# Altium PCB 运动控制板.PcbDoc (part 1 of 3) (continued)
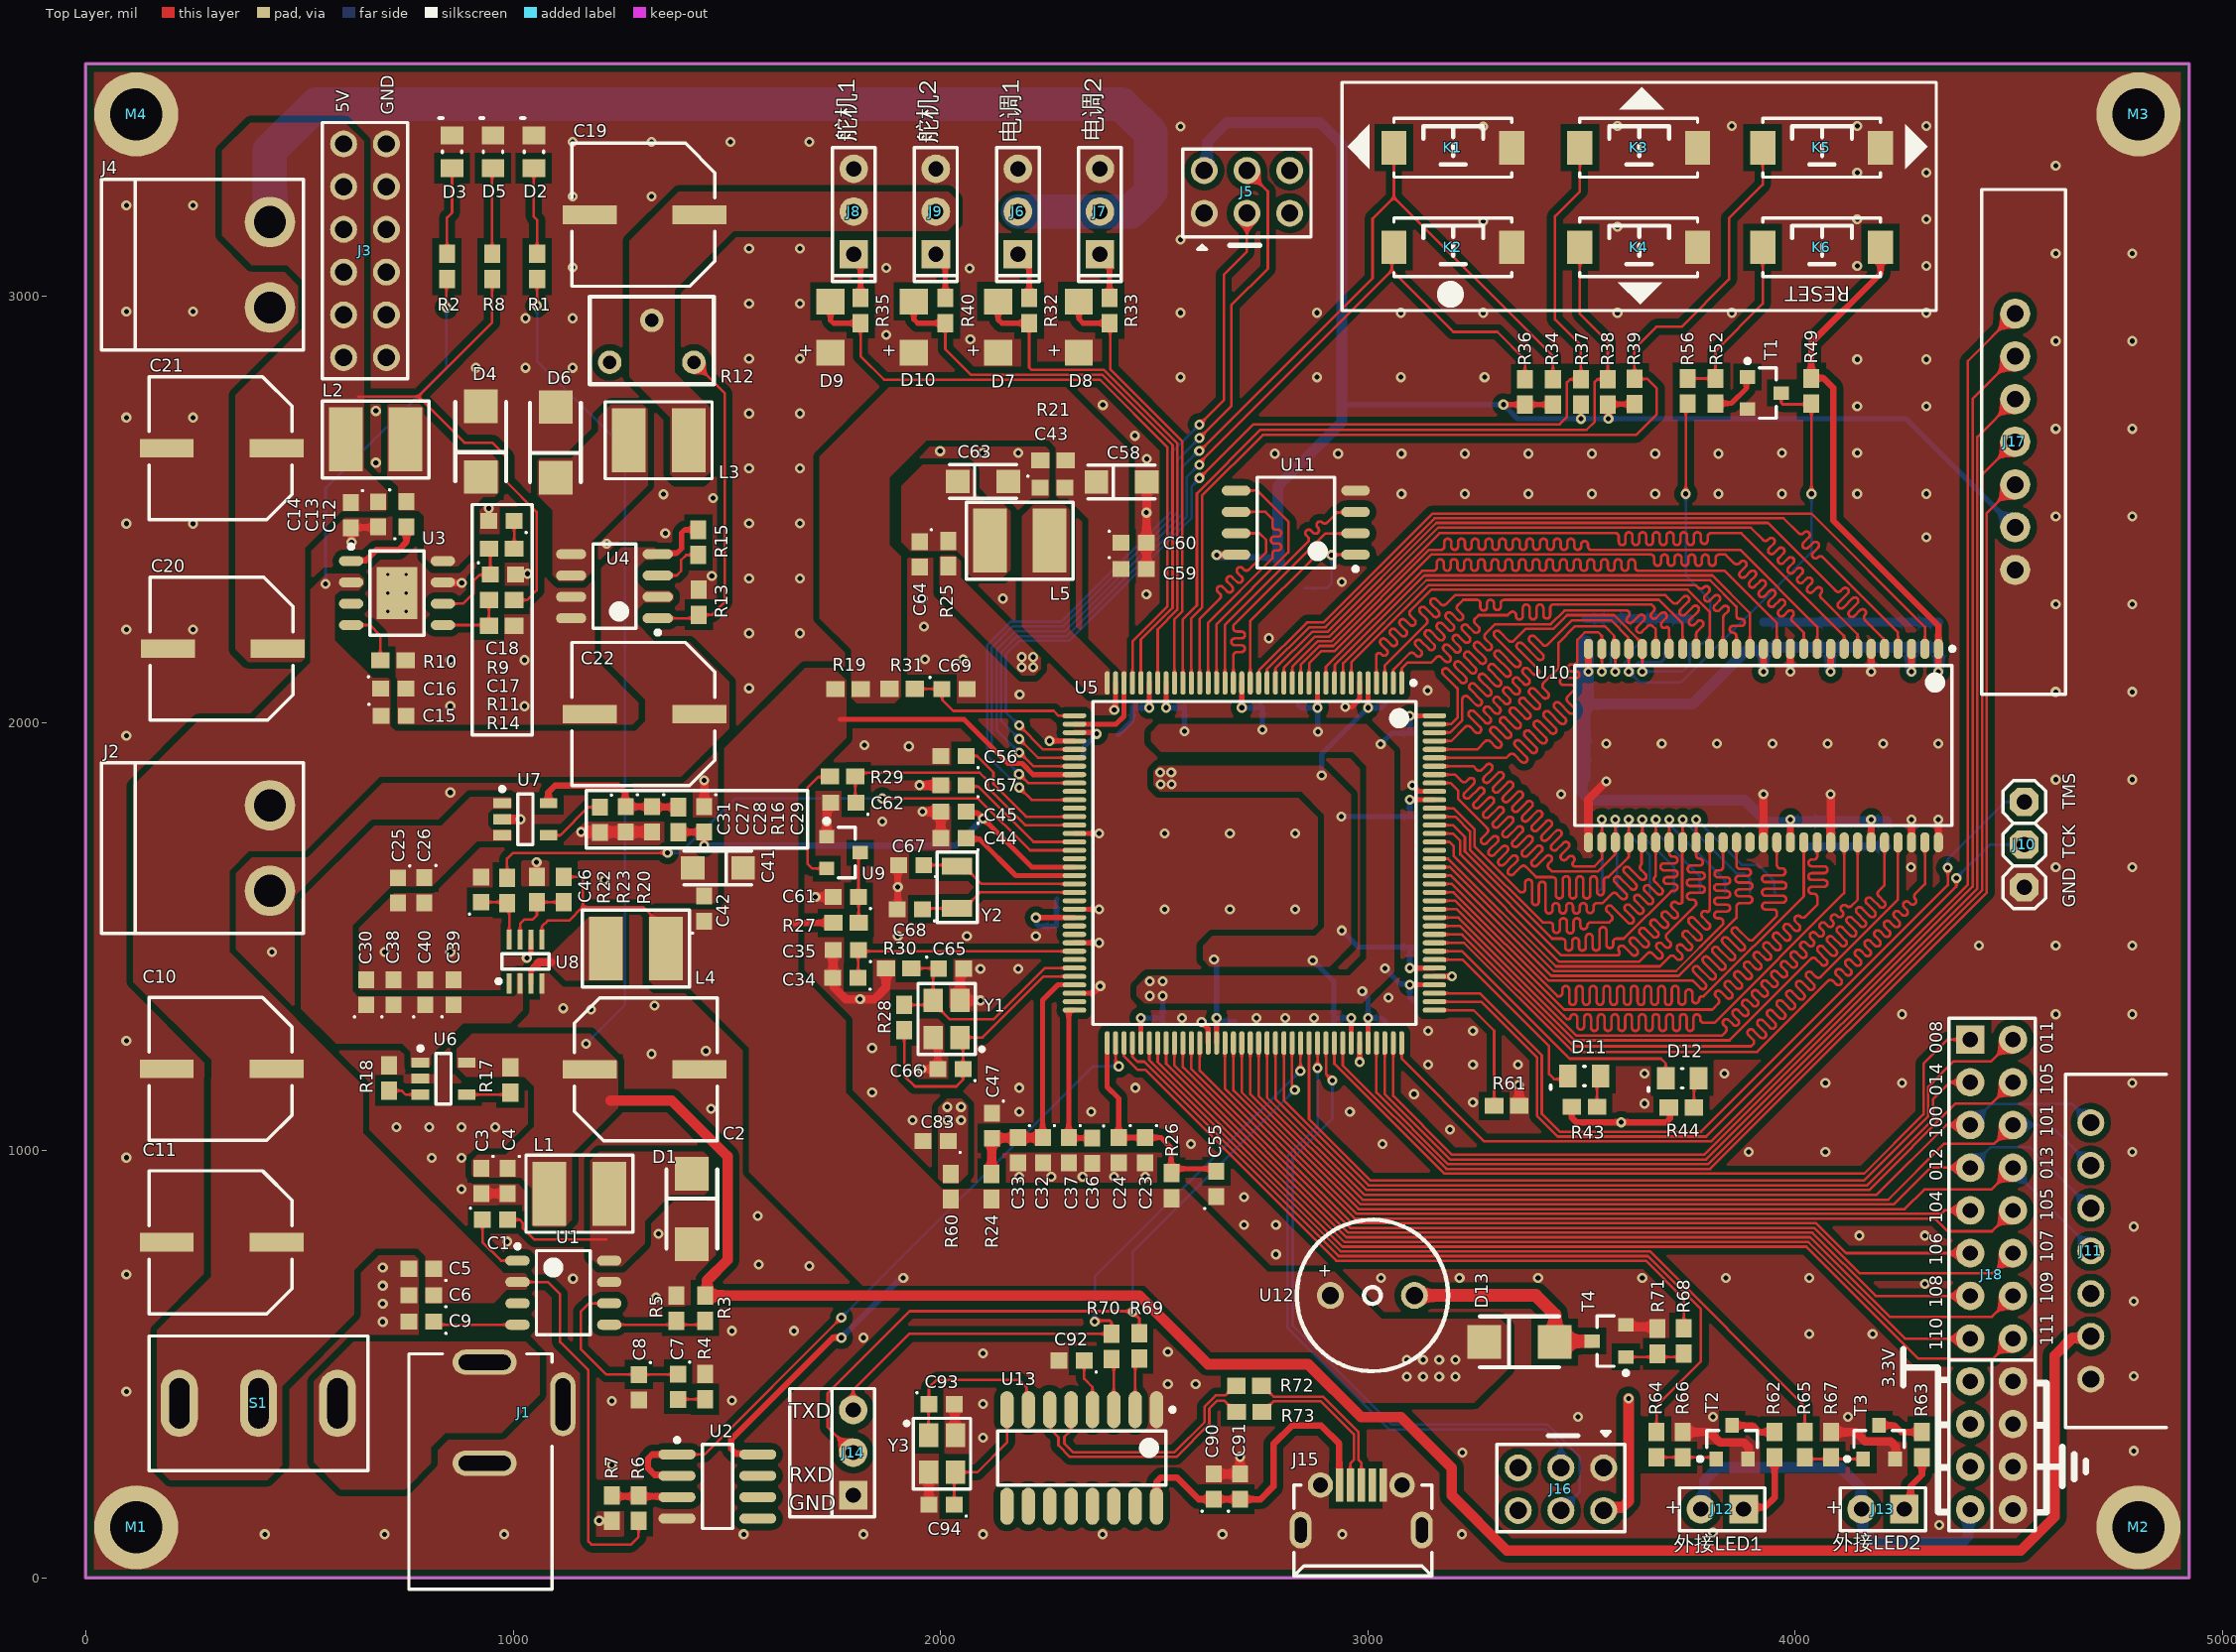
[diagram p0: Top Layer view]
## Footprints (in the part's own frame and the unit in brackets; to place one, negate y for a bottom-side part, rotate by r counter-clockwise, add the part's x,y. Pads: shape width x height; smd on the part's side, far side on the other; paste and mask are expansions set on the pad)
2*8 [mm]
  round 1.6 hole 1.02: 1(0,0) 2(0,-2.54) 3(0,-5.08) 4(0,-7.62) 5(0,-10.16) 6(0,-12.7) 7(2.54,-12.7) 8(2.54,-10.16) 9(2.54,-7.62) 10(2.54,-5.08) 11(2.54,-2.54) 12(2.54,0)
  silkscreen extent -1.27,-13.97 3.81,1.27
3p-switch [mm]
  oval 4x2.2 hole 1.2 slot 3 at 0 deg: 1(0,4.7) 2(0,0) 3(0,-4.7)
  silkscreen extent -4,-6.5 4,6.5
5.08_2P [mm] "5.08mm拔插式接线端子弯针"
  round 3 hole 1.9: 1(0,0) 2(5.08,0)
  silkscreen extent -2.54,-10 7.62,2, body extent -3.5,-13 8.5,2, height 9
3266W [mm]
  round 1.4 hole 0.8: 1(-2.5,0) 2(0,2.5) 3(2.5,0)
  silkscreen extent -3.68,-1.3 3.68,3.9, body extent -3.38,-1 3.37,3.6, height 8.25
beep [mm]
  round 1.6 hole 1.02: 1(-2.5,0) 2(2.5,0)
  silkscreen extent -4.5,-4.5 4.5,4.5
CAP8X10.5MM [mm] "for 470uf"
  rect 3.2x1.1 smd: 1(0.089,0) 2(-6.439,0)
  silkscreen extent -7.5,-4.25 1,4.25, body extent -7.5,-4 0.5,4, height 10
Cap8x10.5mm [mm] "for 470uf"
  rect 3.2x1.1 smd: 1(0.089,0) 2(-6.439,0)
  silkscreen extent -7.5,-4.25 1,4.25, body extent -7.5,-4 0.5,4, height 10
cap0603 [mm] "Chip Capacitor, 2-Leads, Body 1.60x0.80mm, IPC Medium Density"
  rect 1x0.95 smd: 1(-0.75,0) 2(0.75,0)
  silkscreen extent -1.51,0.64 -1.41,0.74, body extent -0.85,-0.45 0.85,0.45, height 0.6
CASE-A_3216 [mm]
  rect 1.4x1.4 smd: 1(1.5,0) 2(-1.5,0)
  silkscreen extent -2,-1 2,1
CD43 [mm]
  rect 3.8x2 smd: 1(0,1.778) 2(0,-1.778)
  silkscreen extent -2.29,-3.18 2.29,3.18, body extent -2,-2.54 2,2.54, height 3.7
DC_IN [mm] "DC电源输入接口"
  oval 1.5x3.8 hole 0.9 slot 3.1 at 90 deg: 1(13.5,0) 2(7.5,0)
  oval 3.8x1.5 hole 0.9 slot 3.1 at 0 deg: 3(11,-4.65)
  silkscreen extent 0,-4 14,4.5
HDR-1X2 [mm]
  rect 1.7x1.7 hole 0.9: 1(0,0)
  round 1.7 hole 0.9: 2(2.54,0)
  silkscreen extent -1.27,-1.27 3.81,1.27, body extent -1.27,-1.27 3.81,1.27, height 8.5
HDR-1X3 [mm]
  rect 1.7x1.7 hole 0.9: 1(0,0)
  round 1.7 hole 0.9: 2(2.54,0) 3(5.08,0)
  silkscreen extent -1.27,-1.27 6.35,1.27, body extent -1.27,-1.27 6.35,1.27, height 8.5
HDR-1X3_SWD [mm]
  oct 1.7x1.7 hole 0.9: 1(0,0) 2(2.54,0) 3(5.08,0)
  silkscreen extent -1.27,-1.27 6.35,1.27
HDR-2x12 [mm]
  rect 1.7x1.7 hole 0.9: 1(0,0)
  round 1.7 hole 0.9: 2(0,2.54) 3(2.54,0) 4(2.54,2.54) 5(5.08,0) 6(5.08,2.54) 7(7.62,0) 8(7.62,2.54) 9(10.16,0) 10(10.16,2.54) 11(12.7,0) 12(12.7,2.54) 13(15.24,0) 14(15.24,2.54) 15(17.78,0) 16(17.78,2.54) 17(20.32,0) 18(20.32,2.54) 19(22.86,0) 20(22.86,2.54) 21(25.4,0) 22(25.4,2.54) 23(27.94,0) 24(27.94,2.54)
  silkscreen extent -1.27,-1.27 29.21,3.86, body extent -1.27,-1.27 29.21,3.81, height 8.5
key [mm] "3*6*2.5"
  rect 1.5x2 smd: 1(3.5,0) 2(-3.5,0)
  silkscreen extent -3.5,-1.75 3.5,1.75, body extent -3.97,-1.74 4.03,1.76, height 2.59
LED [mm] "0805"
  rect 1.05x1.35 smd: 1(-0.975,0) 2(0.975,0)
  silkscreen extent -0.05,-0.58 2,0.75, body extent -1.05,-0.67 1.05,0.67, height 0.6
LL34 [mil] "ZMM3V3"
  rect 60x66 smd: 1(-60,0) 2(60,0)
LQ256Encoder [mm] "LQ_256"
  round 1.6 hole 1.02: 1(0,0) 2(0,-2.54) 3(0,-5.08) 4(2.54,-5.08) 5(2.54,-2.54) 6(2.54,0)
  silkscreen extent -1.27,-6.35 4.7,1.27, body extent -1.27,-6.35 3.81,1.27, height 8.5
LQ_OLED128X64去丝印 [mm]
  round 1.8 hole 1: 1(-7.62,0) 2(-5.08,0) 3(-2.54,0) 4(0,0) 5(2.54,0) 6(5.08,0) 7(7.62,0)
  round 1.8 on Top Overlay: ""(-13.307,0.105) ""(13.293,0.105)
  silkscreen extent -15,-3 15,2, body extent -15,-23 15,2, height 8.5
LQFP144 [mm]
  oval 1.4x0.3 smd: 1(-10.7,8.75) 2(-10.7,8.25) 3(-10.7,7.75) 4(-10.7,7.25) 5(-10.7,6.75) 6(-10.7,6.25) 7(-10.7,5.75) 8(-10.7,5.25) 9(-10.7,4.75) 10(-10.7,4.25) 11(-10.7,3.75) 12(-10.7,3.25) 13(-10.7,2.75) 14(-10.7,2.25) 15(-10.7,1.75) 16(-10.7,1.25) 17(-10.7,0.75) 18(-10.7,0.25) 19(-10.7,-0.25) 20(-10.7,-0.75) 21(-10.7,-1.25) 22(-10.7,-1.75) 23(-10.7,-2.25) 24(-10.7,-2.75) 25(-10.7,-3.25) 26(-10.7,-3.75) 27(-10.7,-4.25) 28(-10.7,-4.75) 29(-10.7,-5.25) 30(-10.7,-5.75) 31(-10.7,-6.25) 32(-10.7,-6.75) 33(-10.7,-7.25) 34(-10.7,-7.75) 35(-10.7,-8.25) 36(-10.7,-8.75) 73(10.7,-8.75) 74(10.7,-8.25) 75(10.7,-7.75) 76(10.7,-7.25) 77(10.7,-6.75) 78(10.7,-6.25) 79(10.7,-5.75) 80(10.7,-5.25) 81(10.7,-4.75) 82(10.7,-4.25) 83(10.7,-3.75) 84(10.7,-3.25) 85(10.7,-2.75) 86(10.7,-2.25) 87(10.7,-1.75) 88(10.7,-1.25) 89(10.7,-0.75) 90(10.7,-0.25) 91(10.7,0.25) 92(10.7,0.75) 93(10.7,1.25) 94(10.7,1.75) 95(10.7,2.25) 96(10.7,2.75) 97(10.7,3.25) 98(10.7,3.75) 99(10.7,4.25) 100(10.7,4.75) 101(10.7,5.25) 102(10.7,5.75) 103(10.7,6.25) 104(10.7,6.75) 105(10.7,7.25) 106(10.7,7.75) 107(10.7,8.25) 108(10.7,8.75)
  oval 0.3x1.4 smd: 37(-8.75,-10.7) 38(-8.25,-10.7) 39(-7.75,-10.7) 40(-7.25,-10.7) 41(-6.75,-10.7) 42(-6.25,-10.7) 43(-5.75,-10.7) 44(-5.25,-10.7) 45(-4.75,-10.7) 46(-4.25,-10.7) 47(-3.75,-10.7) 48(-3.25,-10.7) 49(-2.75,-10.7) 50(-2.25,-10.7) 51(-1.75,-10.7) 52(-1.25,-10.7) 53(-0.75,-10.7) 54(-0.25,-10.7) 55(0.25,-10.7) 56(0.75,-10.7) 57(1.25,-10.7) 58(1.75,-10.7) 59(2.25,-10.7) 60(2.75,-10.7) 61(3.25,-10.7) 62(3.75,-10.7) 63(4.25,-10.7) 64(4.75,-10.7) 65(5.25,-10.7) 66(5.75,-10.7) 67(6.25,-10.7) 68(6.75,-10.7) 69(7.25,-10.7) 70(7.75,-10.7) 71(8.25,-10.7) 72(8.75,-10.7) 109(8.75,10.7) 110(8.25,10.7) 111(7.75,10.7) 112(7.25,10.7) 113(6.75,10.7) 114(6.25,10.7) 115(5.75,10.7) 116(5.25,10.7) 117(4.75,10.7) 118(4.25,10.7) 119(3.75,10.7) 120(3.25,10.7) 121(2.75,10.7) 122(2.25,10.7) 123(1.75,10.7) 124(1.25,10.7) 125(0.75,10.7) 126(0.25,10.7) 127(-0.25,10.7) 128(-0.75,10.7) 129(-1.25,10.7) 130(-1.75,10.7) 131(-2.25,10.7) 132(-2.75,10.7) 133(-3.25,10.7) 134(-3.75,10.7) 135(-4.25,10.7) 136(-4.75,10.7) 137(-5.25,10.7) 138(-5.75,10.7) 139(-6.25,10.7) 140(-6.75,10.7) 141(-7.25,10.7) 142(-7.75,10.7) 143(-8.25,10.7) 144(-8.75,10.7)
  silkscreen extent -10.82,-9.6 9.6,9.6, body extent -10,-10 10,10, height 1.6
OPA2350 [mm] "SOIC, 8-Leads, Body 4.9x3.9mm, Pitch 1.27mm, IPC Medium Density"
  oval 2.2x0.6 smd: 1(-2.4,1.905) 2(-2.4,0.635) 3(-2.4,-0.635) 4(-2.4,-1.905) 5(2.4,-1.905) 6(2.4,-0.635) 7(2.4,0.635) 8(2.4,1.905)
  silkscreen extent -2.52,-2.5 0.9,2.88, body extent -1.95,-2.45 1.95,2.45, height 1.75
res0603 [mm]
  rect 1.1x0.95 smd: 1(-0.75,0) 2(0.75,0)
  body extent -0.8,-0.38 0.8,0.42, height 0.45
SMA(DO-214AC) [mm] "SS系列肖特基二极管"
  rect 2x2 smd: 1(2.1,0) 2(-2.1,0)
  silkscreen extent -2.35,-1.5 2.35,1.52
SMD3215 [mm] "有源晶振"
  rect 1x1.8 smd: 1(-1.25,0) 2(1.25,0)
  silkscreen extent -2.1,-1.2 2.1,1.2
SMD3225 [mm] "有源晶振"
  rect 1.4x1.15 smd: 1(-1.1,-0.8) 2(1.1,-0.8) 3(1.1,0.8) 4(-1.1,0.8)
  silkscreen extent -2.1,-2.2 2.1,1.7
SOIC8-208mil [mm]
  oval 1.7x0.6 smd: 1(-3.55,1.905) 2(-3.55,0.635) 3(-3.55,-0.635) 4(-3.55,-1.905) 5(3.55,-1.905) 6(3.55,-0.635) 7(3.55,0.635) 8(3.55,1.905)
  silkscreen extent -3.68,-2.7 2.3,2.88, body extent -2.7,-2.7 2.7,2.7, height 2.16
SOIC-8_150mil [mm]
  oval 1.45x0.6 smd: 1(-2.725,1.905) 2(-2.725,0.635) 3(-2.725,-0.635) 4(-2.725,-1.905) 5(2.725,-1.905) 6(2.725,-0.635) 7(2.725,0.635) 8(2.725,1.905)
  silkscreen extent -2.85,-2.5 1.6,2.88, body extent -2,-2.5 2,2.5, height 1.75
SOIC-8_EP_150mil [mm]
  oval 1.45x0.6 smd: 1(-2.725,1.905) 2(-2.725,0.635) 3(-2.725,-0.635) 4(-2.725,-1.905) 5(2.725,-1.905) 6(2.725,-0.635) 7(2.725,0.635) 8(2.725,1.905)
  rect 2.4x3.1 smd: 9(0,0)
  silkscreen extent -2.85,-2.5 1.6,2.88, body extent -2,-2.5 2,2.5, height 1.75
SOP18-AS1015 [mm]
  oval 1.8x0.6 smd: 1(-2.575,1.905) 2(-2.575,0.635) 3(-2.575,-0.635) 4(-2.575,-1.905) 5(2.575,-1.905) 6(2.575,-0.635) 7(2.575,0.635) 8(2.575,1.905)
  silkscreen extent -2.7,-2.5 1.27,2.88, body extent -2,-2.5 2,2.5, height 2.5
SOP-16_150mil [mm]
  oval 2.2x0.8 smd: 1(-2.87,4.445) 2(-2.87,3.175) 3(-2.87,1.905) 4(-2.87,0.635) 5(-2.87,-0.635) 6(-2.87,-1.905) 7(-2.87,-3.175) 8(-2.87,-4.445) 9(2.87,-4.445) 10(2.87,-3.175) 11(2.87,-1.905) 12(2.87,-0.635) 13(2.87,0.635) 14(2.87,1.905) 15(2.87,3.175) 16(2.87,4.445)
  silkscreen extent -2.99,-5 1.6,5.52, body extent -2,-5 2,5, height 1.75
SOT23-5 [mm]
  rect 1.05x0.6 smd: 1(-1.375,0.95) 2(-1.375,0) 3(-1.375,-0.95) 4(1.375,-0.95) 5(1.375,0.95)
  silkscreen extent -1.5,-1.5 0.45,1.92, body extent -0.85,-1.5 0.85,1.5, height 1.35
SOT-23-3 [mm]
  rect 0.9x0.8 smd: 1(-1,0.95) 2(-1,-0.95) 3(1,0)
  silkscreen extent -1.12,-1.5 0.7,2.02, body extent -0.7,-1.52 0.7,1.52, height 1.11
TSOP(II)-54 [mm] "W9825G6KH-6"
  oval 1.2x0.55 smd: 1(-5.75,10.4) 2(-5.75,9.6) 3(-5.75,8.8) 4(-5.75,8) 5(-5.75,7.2) 6(-5.75,6.4) 7(-5.75,5.6) 8(-5.75,4.8) 9(-5.75,4) 10(-5.75,3.2) 11(-5.75,2.4) 12(-5.75,1.6) 13(-5.75,0.8) 14(-5.75,0) 15(-5.75,-0.8) 16(-5.75,-1.6) 17(-5.75,-2.4) 18(-5.75,-3.2) 19(-5.75,-4) 20(-5.75,-4.8) 21(-5.75,-5.6) 22(-5.75,-6.4) 23(-5.75,-7.2) 24(-5.75,-8) 25(-5.75,-8.8) 26(-5.75,-9.6) 27(-5.75,-10.4) 28(5.75,-10.4) 29(5.75,-9.6) 30(5.75,-8.8) 31(5.75,-8) 32(5.75,-7.2) 33(5.75,-6.4) 34(5.75,-5.6) 35(5.75,-4.8) 36(5.75,-4) 37(5.75,-3.2) 38(5.75,-2.4) 39(5.75,-1.6) 40(5.75,-0.8) 41(5.75,0) 42(5.75,0.8) 43(5.75,1.6) 44(5.75,2.4) 45(5.75,3.2) 46(5.75,4) 47(5.75,4.8) 48(5.75,5.6) 49(5.75,6.4) 50(5.75,7.2) 51(5.75,8) 52(5.75,8.8) 53(5.75,9.6) 54(5.75,10.4)
  silkscreen extent -5.87,-11.2 4.75,11.35, body extent -5.15,-11.2 5.15,11.2, height 1.2
TSOT23-8 [mm]
  rect 1.2x0.3 smd: 1(-1.3,0.975) 2(-1.3,0.325) 3(-1.3,-0.325) 4(-1.3,-0.975) 5(1.3,-0.975) 6(1.3,-0.325) 7(1.3,0.325) 8(1.3,0.975)
  silkscreen extent -1.3,-1.4 0.45,1.72, body extent -0.85,-1.4 0.85,1.4, height 1.35
uart_nrf24l01 [mm] "无线串口模块"
  round 1.6 hole 1.02: 1(0,7.62) 2(0,5.08) 3(0,2.54) 4(0,0) 5(0,-2.54) 6(0,-5.08) 7(0,-7.62)
  silkscreen extent -1.5,-10.5 4.5,10.5, body extent -1.5,-10.5 45.55,10.5, height 3.1
USB_micro_b [mm] "母座"
  rect 2x0.45 smd: 1(0,-1.3) 2(0,-0.65) 3(0,0) 4(0,0.65) 5(0,1.3)
  round 1.5 hole 0.9: 6(0,2.425) 9(0,-2.425)
  oval 2.2x1.3 hole 0.7 slot 1.5 at 0 deg: 7(2.67,3.6) 8(2.67,-3.6)
  silkscreen extent 0,-4 5.4,4.2
螺丝孔#1 [mm]
  round 5 hole 3.1: 0(0.126,-0.135)
螺丝孔#2 [mm]
  round 5 hole 3.1: 0(-5.351,-0.135)
螺丝孔#3 [mm]
  round 5 hole 3.1: 0(-4.828,-0.135)
螺丝孔#4 [mm]
  round 5 hole 3.1: 0(2.695,-3.135)

## Part data
C1 C3 C4 C5 C6 C7 C8 C9 C12 C13 C14 C15 C16 C17 C18 C23 C24 C25 C26 C27 C28 C29 C30 C31 C32 C33 C34 C35 C36 C37 C38 C39 C40 C42 C43 C44 C45 C46 C47 C48 C49 C50 C51 C52 C53 C54 C55 C56 C57 C59 C60 C61 C62 C64 C65 C66 C67 C68 C69 C70 C71 C72 C73 C74 C75 C76 C77 C78 C79 C80 C81 C82 C83 C84 C85 C86 C87 C88 C89 C90 C91 C92 C93 C94: library part Cap, "贴片电容", LatestRevisionDate=17-Jul-2002, LatestRevisionNote="Re-released for DXP Platform.", PackageReference=RAD-0.3, Published=8-Jun-2000, Publisher="Altium Limited"
C2 C10 C11 C19 C20 C21 C22: library part "Cap Pol", "贴片电解电容 8*10.5mm", LatestRevisionDate=17-Jul-2002, LatestRevisionNote="Re-released for DXP Platform.", PackageReference=POLAR0.8, Published=8-Jun-2000, Publisher="Altium Limited"
C41 C58 C63: library part Cap, "钽电容", LatestRevisionDate=17-Jul-2002, LatestRevisionNote="Re-released for DXP Platform.", PackageReference=RAD-0.3, Published=8-Jun-2000, Publisher="Altium Limited"
D1 D4 D6 D13: library part "D Schottky", "肖特基二极管", Code_JEDEC=DO-214-AA, LatestRevisionDate=17-Jul-2002, LatestRevisionNote="Re-released for DXP Platform.", PackageReference=SMB, Published=8-Jun-2000, Publisher="Altium Limited"
D2 D3 D5 D11 D12: "贴片LED", PackageDocument=Feb-2002, LatestRevisionDate=17-Jul-2002, LatestRevisionNote="Re-released for DXP Platform.", PackageReference=3.2X1.6X1.1, Published=8-Jun-2000, Publisher="Altium Limited"
D7 D8 D9 D10: library part "D Schottky", "稳压二极管", Code_JEDEC=DO-214-AA, LatestRevisionDate=17-Jul-2002, LatestRevisionNote="Re-released for DXP Platform.", PackageReference=SMB, Published=8-Jun-2000, Publisher="Altium Limited"
J1: "型号DC-005  外径5.5内径2.1 立创编号C136744"
J2 J4: library part "Header 2", "5.08mm拔插式阶段端子，弯针", BOM名称=2P接插件, 版权归属=源创客, 学习资源=www.ooocke.com
J3: library part "Header 6x2", "2.54mm公排针", BOM名称=5P接插件, 版权归属=源创客, 学习资源=www.ooocke.com
J5 J16: library part LQ_AB256, "2.54mm公排针"
J6 J7 J8 J9 J10 J14: library part "Header 3", "2.54mm公排针", BOM名称=3P接插件, 版权归属=源创客, 学习资源=www.ooocke.com
J11: "模块https://item.taobao.com/item.htm?spm=2013.1.0.0.7e76fc54H9c4Ar&id=42997097904"
J12 J13: library part "Header 2", "2.54mm公排针", BOM名称=2P接插件, 版权归属=源创客, 学习资源=www.ooocke.com
J15: "microUSB母座,立创商城C404969"
J17: library part "Header 7", "2.54mm母排座", BOM名称=5P接插件, 版权归属=源创客, 学习资源=www.ooocke.com
J18: library part "Header 12*2", "2.54mm公排针", BOM名称=5P接插件, 版权归属=源创客, 学习资源=www.ooocke.com
K1 K2 K3 K4 K5 K6: "按键", BOM名称=3x6轻触开关, 版权归属=源创客, 学习资源=www.ooocke.com
L1 L2 L3 L4 L5: library part Inductor, "贴片功率电感", Code_IEC=1005, Code_JEITA=0402, LatestRevisionDate=17-Jul-2002, LatestRevisionNote="Re-released for DXP Platform.", PackageReference=0402-A, Published=8-Jun-2000, Publisher="Altium Limited"
R1 R2 R3 R4 R5 R6 R7 R8 R9 R10 R11 R13 R14 R15 R16 R17 R18 R19 R20 R21 R22 R23 R24 R25 R26 R27 R28 R29 R30 R31 R32 R33 R34 R35 R36 R37 R38 R39 R40 R41 R42 R43 R44 R45 R46 R47 R48 R49 R50 R51 R52 R53 R54 R55 R56 R57 R58 R59 R60 R61 R62 R63 R64 R65 R66 R67 R68 R69 R70 R71 R72 R73: library part Res, "贴片电阻", LatestRevisionDate=17-Jul-2002, LatestRevisionNote="Re-released for DXP Platform.", PackageReference=AXIAL-0.4, Published=8-Jun-2000, Publisher="Altium Limited"
R12: library part "Res Adj", "贴片电阻", LatestRevisionDate=17-Jul-2002, LatestRevisionNote="Re-released for DXP Platform.", PackageReference=AXIAL-0.6, Published=8-Jun-2000, Publisher="Altium Limited", Set Position=0.5
S1: "三脚二挡 型号MTS102"
T1 T2 T3 T4: "贴片三极管 NPN管"
U1: "开关稳压芯片,3.5V~28V输入,2A输出"
U2: "运算放大器", Code_IPC=SOIC127P600-8, Code_JEDEC=MS-012-AA, ComponentLink1Description="Manufacturer Link", ComponentLink1URL=http://www.onsemi.com/site/products/parametrics/0,4446,251,00.html, ComponentLink2Description=Datasheet, ComponentLink2URL=http://www.onsemi.com/pub/Collateral/LM358-D.PDF, DatasheetVersion=1988, LatestRevisionDate=13-Apr-2006, LatestRevisionNote="IPC-7351 Footprint Added.", PackageDescription="8-Pin Small Outline Integrated Circuit 1.27 mm Pitch", PackageReference=751-02, Published=17-Jul-2002, Publisher="Altium Limited"
U3: "开关稳压芯片,4.5V~60V输入,5A输出"
U4: "开关稳压芯片"
U5: "Cortex-M7 500MHZ 1.3V"
U6: "功率开关，SY6280AAC"
U7: "线性稳压芯片3.3V  300mA  SOT23-5"
U8: "开关稳压芯片 0.6V 2A 2.5-5.5V TSOT23-8"
U9: "mcu复位芯片"
U10: "SDRAM 16MX16 6NS 3.3V TSOP(II)-54"
U11: library part W25Q, "flash"
U12: "有源蜂鸣器，3V，直径9mm引脚间距5mm"
U13: "USB转串口芯片"
Y1: library part CRYSTAL_JXS63, "无源晶振24MHZ 12pF 3.2X2.5MM SMD"
Y2: library part CRYSTAL, "晶振 32.768KHZ 12.5PF"
Y3: library part CRYSTAL_JXS63, "无源晶振 12MHZ 12pF 3.2X2.5MM SMD"

## Via types
v1: diameter 23.62, hole 11.81, Top Layer to Bottom Layer, tented both sides, 431 vias
v2: diameter 19.68, hole 7.87, Top Layer to Bottom Layer, 6 vias

## Nets (pads, with @x,y where several pads share a name; then routed paths per layer and width w, separated by ;. In a path a pad name is that pad's centre, name@x,y a point inside that pad or via, vN(x,y) a via of type N, cw(c..) or ccw(c..) an arc to the next point about the centre after c; other vN are vias at no path point)
5V: C25.1 C26.1 C30.1 C38.1 C39.1 C40.1 U6.1 U7.1 U7.3 U8.2
5V_2A: C2.1 C3.1 C4.1 J11.6 L1.2 R1.1 R3.1 R17.1 U6.5 | length 6543.9
  Top Layer w6: v1(1056,2977) 1056,3039.33 R1.1@1056.31,3039.64
  Top Layer w25: 1228,1117 1371,1117 1502,986 1502,744 1454,696 1454,665.54 R3.1@1449.1,660.64 2465.36,660.64 2626,500 2860,500 2984,376 3077,376 3196,257 3196,193 3325,64 4528,64 4607,143 4607,520 4648.1,561.1 4687.56,561.1 J11.6@4691.62,565.16
  Bottom Layer w6: v1(1056,2977) 1056,2848 1262,2642 1262,1341 v1(1171,1250)
5V_5A: C13.1 C14.1 C20.1 C21.1 J3.1 J3.2 J3.3 J3.4 J3.5 J3.6 J4.1 J6.2 J7.2 L2.2 R8.1 R11.1 | length 3924.4
  Top Layer w6: 637,2765 778,2765 ; R8.1@950.85,3039.64 950.85,2937.85 778,2765 ; R11.1@1002.35,2288.38 1032.38,2288.38 1055,2311 1055,2495 984,2566 984,2624 951,2657 886,2657 778,2765
  Bottom Layer w80: J4.1@430.94,3173.28 430.94,3340.94 539,3449 2424,3449 2492,3381 2492,3244.65 2445.14,3197.79 J7.2@2373.14,3197.79 J6.2@2181.11,3197.79
6V: C19.1 J8.2 J9.2 L3.2 R12.2
AD_B0_08: J18.1 U5.100 | length 1842.5
  Top Layer w6: U5.100@2921.59,1251.92 2921.59,1203.18 3178.93,945.85 4161.06,945.85 4300,1084.78 4300,1203 4356.84,1259.84 J18.1@4409.45,1259.84
AD_B0_09: J16.2 U5.99 | length 1649.7
  Top Layer w6: U5.99@2901.91,1251.92 2902.03,1251.79 2902.03,1178.97 v1(2917,1164)
  Bottom Layer w6: v1(2917,1164) 2917,1075 2824,982 2824,590 3055,359 3420,359 3496,283 3496,201.83 J16.2@3451.68,157.51
AD_B0_10: J16.5 U5.98 | length 1502.3
  Top Layer w6: v1(2882.22,1193) U5.98@2882.22,1251.92
  Bottom Layer w6: v1(2882.22,1193) 2882.22,1057.22 2811.98,986.98 2811.98,585.02 3050.02,346.98 3415.02,346.98 3451.68,310.32 J16.5@3451.68,257.51
AD_B0_11: J18.2 U5.97 | length 2061.9
  Top Layer w6: U5.97@2862.54,1251.92 2862.41,1251.79 2862.41,1073.7 3006.27,929.85 4160.62,929.85 4311,1080.23 4311,1149 4371,1209 4458.61,1209 J18.2@4509.45,1259.84
AD_B0_14: J18.3 U5.94 | length 1950.6
  Top Layer w6: U5.94@2803.48,1251.92 2803.48,1209.34 2803.36,1209.21 2803.36,1117.2 3001.71,918.85 4168.29,918.85 4322,1072.56 4322,1120 4361.84,1159.84 J18.3@4409.45,1159.84
AD_B0_15: J18.4 U5.93 | length 2049.1
  Top Layer w6: U5.93@2783.8,1251.92 2783.8,1121.2 2997.15,907.85 4172.85,907.85 4375,1110 4459.61,1110 J18.4@4509.45,1159.84
AD_B1_00: J11.1 J18.5 U5.92 | length 2260.8
  Top Layer w6: U5.92@2764.11,1251.92 2764.11,1123.89 2992,896 4190,896 4353.84,1059.84 J18.5@4409.45,1059.84
  Bottom Layer w6: J18.5@4409.45,1059.84 4409.45,1067.45 4417.06,1067.45 4458.61,1109 4647.77,1109 J11.1@4691.62,1065.16
AD_B1_01: J11.2 J18.6 U5.91 | length 2283.4
  Top Layer w6: U5.91@2744.43,1251.92 2744.43,1128.02 2987.44,885 4218,885 4349,1016 4465.61,1016 J18.6@4509.45,1059.84
  Bottom Layer w6: J18.6@4509.45,1059.84 4596.93,1059.84 J11.2@4691.62,965.16
AD_B1_04: J18.9 U5.88 | length 1958.3
  Top Layer w6: U5.88@2685.37,1251.92 2685.37,1140.4 2973.77,852 4342,852 4349.84,859.84 J18.9@4409.45,859.84
AD_B1_05: J18.10 U5.87 | length 2109.5
  Top Layer w6: U5.87@2665.69,1251.92 2665.69,1144.53 2969.22,841 4327,841 4357,811 4460.61,811 J18.10@4509.45,859.84
AD_B1_06: J18.11 U5.84 | length 2044.8
  Top Layer w6: U5.84@2606.63,1251.92 2606.63,1186.82 2963.45,830 4048.78,830 4118.94,759.84 J18.11@4409.45,759.84
AD_B1_07: J18.12 U5.83 | length 2200.8
  Top Layer w6: U5.83@2586.95,1251.92 2586.95,1190.95 2958.89,819 4044.23,819 4150.23,713 4462.61,713 J18.12@4509.45,759.84
AD_B1_08: J18.13 U5.82 | length 2120.7
  Top Layer w6: U5.82@2567.26,1251.92 2567.26,1195.08 2954.34,808 4039.67,808 4187.83,659.84 J18.13@4409.45,659.84
AD_B1_09: J18.14 U5.81 | length 2278.5
  Top Layer w6: U5.81@2547.58,1251.92 2547.58,1199.2 2949.78,797 4035.11,797 4221.11,611 4460.61,611 J18.14@4509.45,659.84
AD_B1_10: J18.15 U5.80 | length 2196.7
  Top Layer w6: U5.80@2527.89,1251.92 2527.89,1203.33 2945.23,786 4030.56,786 4256.71,559.84 J18.15@4409.45,559.84
AD_B1_11: J18.16 U5.79 | length 2352.8
  Top Layer w6: U5.79@2508.21,1251.92 2508.21,1207.46 2940.67,775 4026,775 4288,513 4462.61,513 J18.16@4509.45,559.84
AD_B1_12: R65.1 U5.78 | length 1970.3
  Top Layer w6: U5.78@2488.52,1251.92 2488.52,1211.59 2936.11,764 3660,764 4022.36,401.64 R65.1@4022.36,341.04
AD_B1_13: R64.1 U5.76 | length 1937.8
  Top Layer w6: U5.76@2449.15,1251.92 2449.48,1251.59 2449.48,1219.52 2461,1208 2476.56,1208 2931.56,753 3655.44,753 3779,629.44 3779,506 3675.36,402.36 R64.1@3675.36,341.04
AD_B1_14: R68.1 U5.75 | length 1645.9
  Top Layer w6: U5.75@2429.47,1251.92 2429.47,1220.53 2461,1189 2479,1189 2926,742 3650.89,742 3739.36,653.53 R68.1@3739.36,583.74
AD_B1_15: U2.1 U2.2 U5.74 | length 1637.6
  Top Layer w6: U2.1@1383.5,288.83 1447.83,288.83 v1(1768,609) ; U5.74@2409.78,1251.92 2409.78,1204.22 v1(2417,1197)
  Top Layer w15: U2.2@1383.5,238.83 1381.85,240.48 1331.52,240.48 1315,257 1315,278 1325.83,288.83 U2.1@1383.5,288.83
  Bottom Layer w6: v1(1768,609) 2356,1197 v1(2417,1197)
BAT_12V: C5.1 C6.1 C10.1 C11.1 C15.1 C16.1 C22.1 J2.1 R2.1 R6.1 R15.1 S1.2 S1.3 U1.2 U3.2 U4.2 U4.4 | length 1855.6
  Top Layer w6: v1(844,2973) 844,3038.26 R2.1@845.39,3039.64 ; U1.2@1010.35,692.29 1081.71,692.29 1110,664 1110,552 1176,486 1176,85 1183,78 1276,78 1293.54,95.54 R6.1@1293.54,133.58
  Top Layer w12: U4.4@1338.5,2395.87 1339.37,2395 1342.47,2398.1 1383.1,2398.1 1394,2409 1394,2445.83 1401.03,2452.86 R15.1@1433.3,2452.86
  Bottom Layer w6: v1(561,2326) 561,2550 844,2833 v1(844,2973)
BT_CFG0: R47.2 U5.140 U10.25 | length 1207
  Top Layer w6: U5.140@3155.84,1938.93 3255.93,1938.93 3274.79,1957.79 cw(c3280.45,1952.13) 3286.1,1957.8 3299.17,1944.73 ccw(c3304.82,1950.38) 3310.48,1944.73 ccw(c3304.82,1950.38) 3310.48,1956.04 3288.55,1977.97 cw(c3294.21,1983.63) 3288.55,1989.28 cw(c3294.21,1983.63) 3299.87,1989.28 3321.79,1967.35 ccw(c3327.45,1973.01) 3333.11,1967.35 ccw(c3327.45,1973.01) 3333.11,1978.67 3311.18,2000.6 cw(c3316.84,2006.25) 3311.18,2011.91 cw(c3316.84,2006.25) 3322.49,2011.91 3344.42,1989.98 ccw(c3350.08,1995.64) 3355.73,1989.98 ccw(c3350.08,1995.64) 3355.73,2001.3 3333.81,2023.22 cw(c3339.46,2028.88) 3333.81,2034.54 cw(c3339.46,2028.88) 3345.12,2034.54 3367.05,2012.61 ccw(c3372.71,2018.27) 3378.36,2012.61 ccw(c3372.71,2018.27) 3378.36,2023.92 3356.43,2045.85 cw(c3362.09,2051.51) 3356.43,2057.16 cw(c3362.09,2051.51) 3367.75,2057.16 3389.68,2035.24 ccw(c3395.33,2040.89) 3400.99,2035.24 ccw(c3395.33,2040.89) 3400.99,2046.55 3379.06,2068.48 cw(c3384.72,2074.14) 3379.06,2079.79 cw(c3384.72,2074.14) 3390.37,2079.79 3409.85,2060.31 ccw(c3415.51,2065.97) 3421.17,2060.31 ccw(c3415.51,2065.97) 3421.17,2071.63 3410.55,2082.24 cw(c3416.21,2087.9) 3410.55,2093.55 3446,2129 3446,2188 3485,2227 3554,2227 3576.09,2204.91 3576.09,2177.22 U10.25@3579.08,2174.23 v1@3579.08,2121.11
  Bottom Layer w6: v1@3579.08,2121.11 3581.11,2121.11 3621,2161 3621,2173.83 R47.2@3633.5,2186.33
  other v1: 3579.08,2121
BT_CFG1: R48.2 U5.139 U10.26 | length 1347.4
  Top Layer w6: U5.139@3155.84,1919.24 3324.24,1919.24 3331.62,1926.62 cw(c3337.27,1920.96) 3342.92,1926.62 3359.61,1909.94 ccw(c3365.27,1915.6) 3370.92,1909.94 ccw(c3365.27,1915.6) 3370.92,1921.25 3345.22,1946.96 cw(c3350.88,1952.61) 3345.22,1958.27 cw(c3350.88,1952.61) 3356.53,1958.27 3382.24,1932.57 ccw(c3387.89,1938.22) 3393.55,1932.57 ccw(c3387.89,1938.22) 3393.55,1943.88 3367.85,1969.58 cw(c3373.51,1975.24) 3367.85,1980.9 cw(c3373.5,1975.24) 3379.16,1980.9 3404.87,1955.19 ccw(c3410.52,1960.85) 3416.18,1955.19 ccw(c3410.52,1960.85) 3416.18,1966.51 3390.48,1992.21 cw(c3396.13,1997.87) 3390.48,2003.52 cw(c3396.13,1997.87) 3401.79,2003.52 3427.49,1977.82 ccw(c3433.15,1983.48) 3438.81,1977.82 ccw(c3433.15,1983.48) 3438.81,1989.13 3413.1,2014.84 cw(c3418.76,2020.49) 3413.1,2026.15 cw(c3418.76,2020.49) 3424.42,2026.15 3450.12,2000.45 ccw(c3455.78,2006.1) 3461.43,2000.45 ccw(c3455.78,2006.1) 3461.43,2011.76 3437.49,2035.7 cw(c3443.15,2041.36) 3437.49,2047.02 cw(c3443.15,2041.36) 3448.81,2047.02 3471.26,2024.56 ccw(c3476.92,2030.22) 3482.57,2024.56 ccw(c3476.92,2030.22) 3482.57,2035.88 3467.38,2051.07 cw(c3473.04,2056.73) 3467.37,2062.37 3481.09,2076.09 ccw(c3475.43,2081.74) 3475.43,2089.74 3457.3,2089.74 cw(c3457.3,2097.74) 3449.3,2097.74 cw(c3457.3,2097.74) 3457.3,2105.74 3486.87,2105.74 ccw(c3486.87,2113.74) 3494.87,2113.74 ccw(c3486.87,2113.74) 3486.87,2121.74 3476,2121.74 cw(c3476,2129.74) 3468,2129.74 cw(c3476,2129.74) 3476,2137.74 3482,2137.74 ccw(c3482,2145.74) 3490,2145.74 3490,2169 ; 3490,2171 3490,2195.49 3507.51,2213 3539,2213 3547.59,2204.41 U10.26@3547.59,2174.23 v1@3547.59,2121.11
  Bottom Layer w6: v1@3547.59,2121.11 3569,2142.52 3569,2183.63 R48.2@3571.7,2186.33
  other v1: 3547.59,2121
BT_CFG2: R50.2 U5.138 U10.29 | length 1449.4
  Top Layer w6: U5.138@3155.84,1899.56 3246.44,1899.56 3255.05,1890.95 ccw(c3260.71,1896.61) 3266.36,1890.94 ; 3266.36,1890.95 3278,1902.59 cw(c3283.66,1896.93) 3289.32,1902.59 cw(c3283.66,1896.93) 3289.32,1891.27 3272.18,1874.14 ccw(c3277.84,1868.48) 3272.18,1862.83 ccw(c3277.84,1868.48) 3283.5,1862.83 3304.26,1883.59 cw(c3309.91,1877.93) 3315.57,1883.59 cw(c3309.91,1877.93) 3315.57,1872.27 3294.81,1851.51 ccw(c3300.47,1845.86) 3294.81,1840.2 ccw(c3300.47,1845.86) 3306.12,1840.2 3326.89,1860.96 cw(c3332.54,1855.3) 3338.2,1860.96 cw(c3332.54,1855.3) 3338.2,1849.65 3317.44,1828.89 ccw(c3323.1,1823.23) 3317.44,1817.57 ccw(c3323.1,1823.23) 3328.75,1817.57 3349.51,1838.33 cw(c3355.17,1832.68) 3360.83,1838.33 cw(c3355.17,1832.68) 3360.83,1827.02 3340.07,1806.26 ccw(c3345.72,1800.6) 3340.07,1794.94 ccw(c3345.72,1800.6) 3351.38,1794.94 3372.14,1815.7 cw(c3377.8,1810.05) 3383.45,1815.7 cw(c3377.8,1810.05) 3383.45,1804.39 3362.69,1783.63 ccw(c3368.35,1777.97) 3362.69,1772.32 ccw(c3368.35,1777.97) 3374.01,1772.32 3394.77,1793.08 cw(c3400.42,1787.42) 3406.08,1793.08 cw(c3400.42,1787.42) 3406.08,1781.76 3385.32,1761 ccw(c3390.98,1755.35) 3385.32,1749.69 ccw(c3390.98,1755.35) 3396.63,1749.69 3417.39,1770.45 cw(c3423.05,1764.79) 3428.71,1770.45 cw(c3423.05,1764.79) 3428.71,1759.14 3407.95,1738.38 ccw(c3413.6,1732.72) 3407.95,1727.06 ccw(c3413.6,1732.72) 3419.26,1727.06 3440.02,1747.82 cw(c3445.68,1742.17) 3451.34,1747.82 cw(c3445.68,1742.17) 3451.34,1736.51 3430.58,1715.75 ccw(c3436.23,1710.09) 3430.58,1704.43 ccw(c3436.23,1710.09) 3441.89,1704.43 3457.63,1720.17 cw(c3463.28,1714.51) 3468.94,1720.17 cw(c3463.28,1714.51) 3468.94,1708.86 3453.2,1693.12 ccw(c3458.86,1687.46) 3453.2,1681.81 ccw(c3458.86,1687.46) 3464.52,1681.81 3470.01,1687.3 cw(c3475.67,1681.65) 3481.33,1687.3 cw(c3475.67,1681.65) 3481.33,1675.99 3480.58,1675.24 ccw(c3484.82,1671) 3484.82,1665 3530,1665 3547.59,1682.59 U10.29@3547.59,1721.47 v1(3547.59,1774.59)
  Bottom Layer w6: R50.2@3538.21,1603.62 3548.59,1614 v1@3548.59,1774.59
BT_CFG3: R51.2 U5.137 U10.30 | length 1452.3
  Top Layer w6: U5.137@3155.84,1879.87 3204.13,1879.87 3217.5,1866.5 3219.62,1864.38 ccw(c3225.28,1870.04) 3230.93,1864.37 3236.32,1869.77 cw(c3241.98,1864.11) 3247.64,1869.77 cw(c3241.98,1864.11) 3247.64,1858.45 3226.45,1837.27 ccw(c3232.11,1831.61) 3226.45,1825.96 ccw(c3232.11,1831.61) 3237.77,1825.96 3258.95,1847.14 cw(c3264.61,1841.48) 3270.26,1847.14 cw(c3264.61,1841.48) 3270.26,1835.82 3249.08,1814.64 ccw(c3254.74,1808.98) 3249.08,1803.33 ccw(c3254.74,1808.98) 3260.39,1803.33 3281.58,1824.51 cw(c3287.23,1818.85) 3292.89,1824.51 cw(c3287.23,1818.85) 3292.89,1813.2 3271.71,1792.01 ccw(c3277.37,1786.36) 3271.71,1780.7 ccw(c3277.37,1786.36) 3283.02,1780.7 3304.2,1801.88 cw(c3309.86,1796.23) 3315.52,1801.88 cw(c3309.86,1796.23) 3315.52,1790.57 3294.34,1769.39 ccw(c3299.99,1763.73) 3294.34,1758.07 ccw(c3299.99,1763.73) 3305.65,1758.07 3326.83,1779.26 cw(c3332.49,1773.6) 3338.15,1779.26 cw(c3332.49,1773.6) 3338.15,1767.94 3316.96,1746.76 ccw(c3322.62,1741.1) 3316.96,1735.45 ccw(c3322.62,1741.1) 3328.28,1735.45 3349.46,1756.63 cw(c3355.12,1750.97) 3360.77,1756.63 cw(c3355.12,1750.97) 3360.77,1745.31 3339.59,1724.13 ccw(c3345.25,1718.48) 3339.59,1712.82 ccw(c3345.25,1718.48) 3350.9,1712.82 3372.09,1734 cw(c3377.74,1728.34) 3383.4,1734 cw(c3377.74,1728.34) 3383.4,1722.69 3362.22,1701.5 ccw(c3367.87,1695.85) 3362.22,1690.19 ccw(c3367.87,1695.85) 3373.53,1690.19 3394.71,1711.37 cw(c3400.37,1705.72) 3406.03,1711.37 cw(c3400.37,1705.72) 3406.03,1700.06 3384.85,1678.88 ccw(c3390.5,1673.22) 3384.85,1667.56 ccw(c3390.5,1673.22) 3396.16,1667.56 3417.26,1688.66 cw(c3422.92,1683.01) 3428.57,1688.66 cw(c3422.92,1683.01) 3428.57,1677.35 3423.27,1672.05 ; 3423.26,1660.74 cw(c3428.93,1666.39) 3423.26,1672.04 ; 3423.27,1660.73 3431,1653 3538,1653 3578.36,1693.36 3578.36,1720.75 U10.30@3579.08,1721.47 v1(3579.08,1774.59)
  Bottom Layer w6: v1@3580.08,1774.59 3583.2,1771.47 3583.2,1619.32 R51.2@3598.9,1603.62
BT_CFG4: R53.2 U5.136 U10.31 | length 1473.5
  Top Layer w6: U5.136@3155.84,1860.19 3193.81,1860.19 3211,1843 3211,1823 3279.16,1754.84 cw(c3273.51,1749.18) 3279.17,1743.53 3266.66,1731.01 ccw(c3272.31,1725.36) 3266.66,1719.7 ccw(c3272.31,1725.36) 3277.97,1719.7 3291.9,1733.63 cw(c3297.56,1727.98) 3303.22,1733.63 cw(c3297.56,1727.98) 3303.22,1722.32 3284.38,1703.49 ccw(c3290.04,1697.83) 3284.38,1692.17 ccw(c3290.04,1697.83) 3295.7,1692.17 3314.53,1711.01 cw(c3320.19,1705.35) 3325.85,1711.01 cw(c3320.19,1705.35) 3325.85,1699.69 3307.01,1680.86 ccw(c3312.67,1675.2) 3307.01,1669.55 ccw(c3312.67,1675.2) 3318.32,1669.55 3337.16,1688.38 cw(c3342.82,1682.72) 3348.47,1688.38 cw(c3342.82,1682.72) 3348.47,1677.07 3329.64,1658.23 ccw(c3335.3,1652.57) 3329.64,1646.92 ccw(c3335.3,1652.57) 3340.95,1646.92 3358.36,1664.33 ; 3358.37,1664.33 cw(c3364.02,1658.67) 3369.67,1664.33 3393.97,1640.03 3408.98,1640.03 ; 3398.01,1640 3409.01,1640 3432.01,1640 cw(c3432.01,1632) 3440.01,1632 3440.01,1598 ccw(c3448.01,1598) 3448.01,1590 ccw(c3448.01,1598) 3456.01,1598 3456.01,1634 cw(c3464.01,1634) 3464.01,1642 cw(c3464.01,1634) 3472.01,1634 3472.01,1598 ccw(c3480.01,1598) 3480.01,1590 ccw(c3480.01,1598) 3488.01,1598 3488.01,1634 cw(c3496.01,1634) 3496.01,1642 cw(c3496.01,1634) 3504.01,1634 3504.01,1598 ccw(c3512.01,1598) 3512.01,1590 ccw(c3512.01,1598) 3520.01,1598 3520.01,1634 cw(c3528.01,1634) 3528.01,1642 cw(c3528.01,1634) 3536.01,1634 3536.01,1605.78 ccw(c3544.01,1605.78) 3544.01,1597.78 ccw(c3544.01,1605.78) 3552.01,1605.78 3552.01,1632 cw(c3560.01,1632) 3560.01,1640 3563,1640 3608.65,1685.65 ; 3610.58,1687.58 U10.31@3610.58,1721.47 v1(3610.58,1774.59)
  Bottom Layer w6: v1@3611.58,1774.59 3611.58,1739.42 3659.9,1691.1 R53.2@3659.9,1603.62
BT_CFG5: R54.2 U5.133 U10.32 | length 1473.6
  Top Layer w6: U5.133@3155.84,1801.13 3200.42,1801.13 3250,1751.56 3250,1711 3354.34,1606.66 ccw(c3360,1612.31) 3368,1612.31 3368,1626.44 cw(c3376,1626.44) 3376,1634.44 cw(c3376,1626.44) 3384,1626.44 3384,1582.56 ccw(c3392,1582.56) 3392,1574.56 ccw(c3392,1582.56) 3400,1582.56 3400,1621 cw(c3408,1621) 3408,1629 cw(c3408,1621) 3416,1621 3416,1562.83 ccw(c3424,1562.83) 3424,1554.83 ccw(c3424,1562.83) 3432,1562.83 3432,1571 cw(c3440,1571) 3440,1579 cw(c3440,1571) 3448,1571 3448,1562.83 ccw(c3456,1562.83) 3456,1554.83 ccw(c3456,1562.83) 3464,1562.83 3464,1571 cw(c3472,1571) 3472,1579 cw(c3472,1571) 3480,1571 3480,1562.83 ccw(c3488,1562.83) 3488,1554.83 ccw(c3488,1562.83) 3496,1562.83 3496,1571 cw(c3504,1571) 3504,1579 cw(c3504,1571) 3512,1571 3512,1563.91 ccw(c3520,1563.91) 3520,1555.91 ccw(c3520,1563.91) 3528,1563.91 3528,1571 cw(c3536,1571) 3536,1579 3549,1579 3570.94,1600.94 cw(c3576.59,1595.28) 3582.24,1600.94 3592.7,1590.48 ccw(c3598.36,1596.14) 3604.02,1590.48 ccw(c3598.36,1596.14) 3604.02,1601.8 3577.84,1627.97 cw(c3583.5,1633.63) 3577.84,1639.28 cw(c3583.5,1633.63) 3589.15,1639.28 3615.33,1613.11 ccw(c3620.99,1618.77) 3626.64,1613.11 ccw(c3620.99,1618.77) 3626.64,1624.42 3600.47,1650.6 cw(c3606.13,1656.26) 3600.47,1661.91 cw(c3606.13,1656.26) 3611.78,1661.91 3637.96,1635.74 ccw(c3643.61,1641.39) 3649.27,1635.74 ccw(c3643.61,1641.39) 3649.27,1647.05 3638.82,1657.5 ; 3638.81,1657.51 cw(c3644.47,1663.16) 3638.81,1668.81 ; 3638.82,1668.82 3640.36,1670.36 U10.32@3640.36,1719.75 ; U10.32@3642.08,1721.47 v1(3642.08,1774.59)
  Bottom Layer w6: v1@3643.08,1774.59 3643.08,1736.92 3715.9,1664.1 R54.2@3715.9,1603.62
BT_CFG6: R55.2 U5.132 U10.33 | length 1485.4
  Top Layer w6: U5.132@3155.84,1781.45 3204.55,1781.45 3239,1747 3239,1704 3409,1534 3425.35,1534 cw(c3425.35,1526) 3433.35,1526 3433.35,1517.21 ccw(c3441.35,1517.21) 3441.35,1509.21 ccw(c3441.35,1517.21) 3449.35,1517.21 3449.35,1535.83 cw(c3457.35,1535.83) 3457.35,1543.83 cw(c3457.35,1535.83) 3465.35,1535.83 3465.35,1516.41 ccw(c3473.35,1516.41) 3473.35,1508.41 ccw(c3473.35,1516.41) 3481.35,1516.41 3481.35,1535.83 cw(c3489.35,1535.83) 3489.35,1543.83 cw(c3489.35,1535.83) 3497.35,1535.83 3497.35,1526 ccw(c3505.35,1526) 3505.35,1518 ccw(c3505.35,1526) 3513.35,1526 cw(c3521.35,1526) 3521.35,1534 3565,1534 3569.7,1538.7 ccw(c3564.04,1544.36) 3569.71,1550.01 ; 3569.7,1550.01 3559.79,1559.92 cw(c3565.45,1565.58) 3559.79,1571.24 cw(c3565.45,1565.58) 3571.11,1571.24 3608.81,1533.53 ccw(c3614.47,1539.19) 3620.13,1533.53 ccw(c3614.47,1539.19) 3620.13,1544.84 3602.69,1562.28 cw(c3608.34,1567.94) 3602.69,1573.6 cw(c3608.34,1567.94) 3614,1573.6 3631.44,1556.16 ccw(c3637.1,1561.81) 3642.75,1556.16 ccw(c3637.1,1561.81) 3642.75,1567.47 3625.32,1584.91 cw(c3630.97,1590.57) 3625.32,1596.22 cw(c3630.97,1590.57) 3636.63,1596.22 3654.07,1578.78 ccw(c3659.73,1584.44) 3665.38,1578.78 ccw(c3659.73,1584.44) 3665.38,1590.1 3647.94,1607.54 cw(c3653.6,1613.19) 3647.94,1618.85 cw(c3653.6,1613.19) 3659.26,1618.85 3676.7,1601.41 ccw(c3682.35,1607.07) 3688.01,1601.41 ccw(c3682.35,1607.07) 3688.01,1612.73 3671.52,1629.21 ; 3671.52,1629.22 cw(c3677.18,1634.87) 3671.52,1640.52 3673.57,1642.57 3673.57,1674.72 ; 3673.57,1676.72 U10.33@3673.57,1721.47 v1(3673.57,1774.59)
  Bottom Layer w6: v1@3674.57,1774.59 3674.57,1744.43 3776.62,1642.38 R55.2@3776.62,1603.62